# KiCad board LightRail_LPO_1.6T.kicad_pcb (continued)
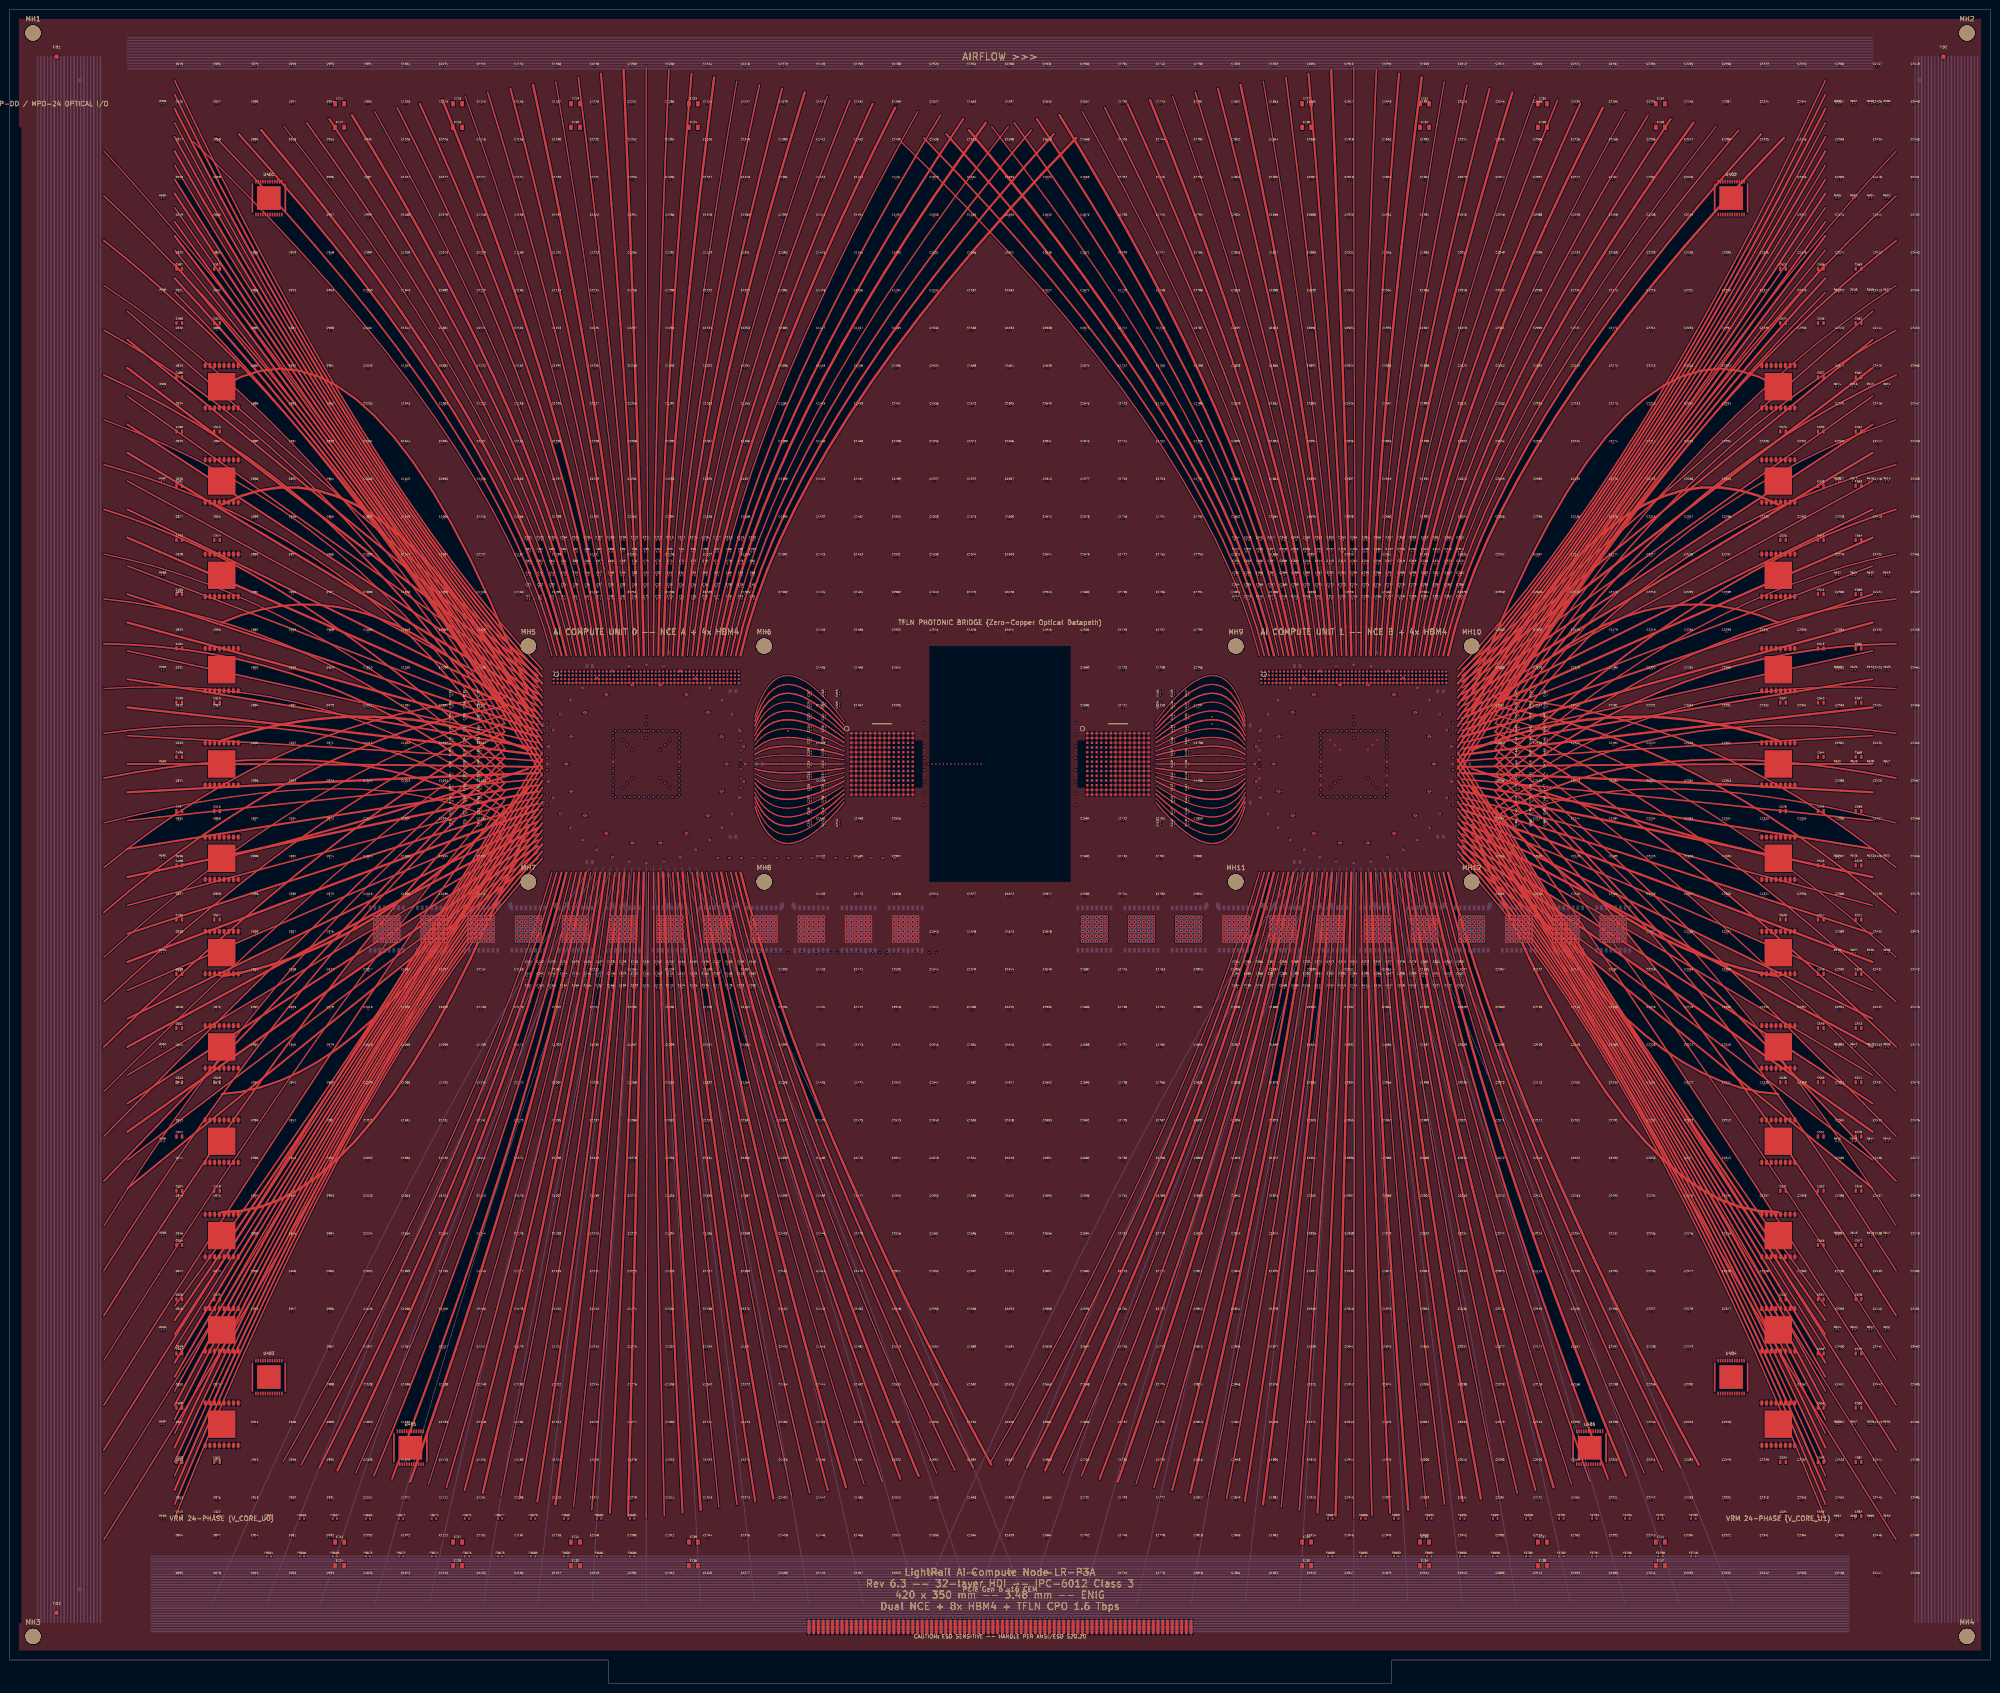
[diagram p0: board, top side]
## Placement (name value [footprint] x y rotation side) (continued)
C1211  0.6x0.3  [C_passive#2]  116 71 0 top
C1212  0.6x0.3  [C_passive#2]  116 63 0 top
C1213  0.6x0.3  [C_passive#2]  116 55 0 top
C1214  0.6x0.3  [C_passive#2]  116 47 0 top
C1215  0.6x0.3  [C_passive#2]  116 39 0 top
C1216  0.6x0.3  [C_passive#2]  116 31 0 top
C1217  0.6x0.3  [C_passive#2]  116 23 0 top
C1218  0.6x0.3  [C_passive#2]  124 343 0 top
C1219  0.6x0.3  [C_passive#2]  124 335 0 top
C1220  0.6x0.3  [C_passive#2]  124 327 0 top
C1221  0.6x0.3  [C_passive#2]  124 319 0 top
C1222  0.6x0.3  [C_passive#2]  124 311 0 top
C1223  0.6x0.3  [C_passive#2]  124 303 0 top
C1224  0.6x0.3  [C_passive#2]  124 295 0 top
C1225  0.6x0.3  [C_passive#2]  124 287 0 top
C1226  0.6x0.3  [C_passive#2]  124 279 0 top
C1227  0.6x0.3  [C_passive#2]  124 271 0 top
C1228  0.6x0.3  [C_passive#2]  124 263 0 top
C1229  0.6x0.3  [C_passive#2]  124 255 0 top
C1230  0.6x0.3  [C_passive#2]  124 247 0 top
C1231  0.6x0.3  [C_passive#2]  124 239 0 top
C1232  0.6x0.3  [C_passive#2]  124 231 0 top
C1233  0.6x0.3  [C_passive#2]  124 151 0 top
C1234  0.6x0.3  [C_passive#2]  124 143 0 top
C1235  0.6x0.3  [C_passive#2]  124 135 0 top
C1236  0.6x0.3  [C_passive#2]  124 127 0 top
C1237  0.6x0.3  [C_passive#2]  124 119 0 top
C1238  0.6x0.3  [C_passive#2]  124 111 0 top
C1239  0.6x0.3  [C_passive#2]  124 103 0 top
C1240  0.6x0.3  [C_passive#2]  124 95 0 top
C1241  0.6x0.3  [C_passive#2]  124 87 0 top
C1242  0.6x0.3  [C_passive#2]  124 79 0 top
C1243  0.6x0.3  [C_passive#2]  124 71 0 top
C1244  0.6x0.3  [C_passive#2]  124 63 0 top
C1245  0.6x0.3  [C_passive#2]  124 55 0 top
C1246  0.6x0.3  [C_passive#2]  124 47 0 top
C1247  0.6x0.3  [C_passive#2]  124 39 0 top
C1248  0.6x0.3  [C_passive#2]  124 31 0 top
C1249  0.6x0.3  [C_passive#2]  124 23 0 top
C1250  0.6x0.3  [C_passive#2]  132 343 0 top
C1251  0.6x0.3  [C_passive#2]  132 335 0 top
C1252  0.6x0.3  [C_passive#2]  132 327 0 top
C1253  0.6x0.3  [C_passive#2]  132 319 0 top
C1254  0.6x0.3  [C_passive#2]  132 311 0 top
C1255  0.6x0.3  [C_passive#2]  132 303 0 top
C1256  0.6x0.3  [C_passive#2]  132 295 0 top
C1257  0.6x0.3  [C_passive#2]  132 287 0 top
C1258  0.6x0.3  [C_passive#2]  132 279 0 top
C1259  0.6x0.3  [C_passive#2]  132 271 0 top
C1260  0.6x0.3  [C_passive#2]  132 263 0 top
C1261  0.6x0.3  [C_passive#2]  132 255 0 top
C1262  0.6x0.3  [C_passive#2]  132 247 0 top
C1263  0.6x0.3  [C_passive#2]  132 239 0 top
C1264  0.6x0.3  [C_passive#2]  132 231 0 top
C1265  0.6x0.3  [C_passive#2]  132 151 0 top
C1266  0.6x0.3  [C_passive#2]  132 143 0 top
C1267  0.6x0.3  [C_passive#2]  132 135 0 top
C1268  0.6x0.3  [C_passive#2]  132 127 0 top
C1269  0.6x0.3  [C_passive#2]  132 119 0 top
C1270  0.6x0.3  [C_passive#2]  132 111 0 top
C1271  0.6x0.3  [C_passive#2]  132 103 0 top
C1272  0.6x0.3  [C_passive#2]  132 95 0 top
C1273  0.6x0.3  [C_passive#2]  132 87 0 top
C1274  0.6x0.3  [C_passive#2]  132 79 0 top
C1275  0.6x0.3  [C_passive#2]  132 71 0 top
C1276  0.6x0.3  [C_passive#2]  132 63 0 top
C1277  0.6x0.3  [C_passive#2]  132 55 0 top
C1278  0.6x0.3  [C_passive#2]  132 47 0 top
C1279  0.6x0.3  [C_passive#2]  132 39 0 top
C1280  0.6x0.3  [C_passive#2]  132 31 0 top
C1281  0.6x0.3  [C_passive#2]  132 23 0 top
C1282  0.6x0.3  [C_passive#2]  140 343 0 top
C1283  0.6x0.3  [C_passive#2]  140 335 0 top
C1284  0.6x0.3  [C_passive#2]  140 327 0 top
C1285  0.6x0.3  [C_passive#2]  140 319 0 top
C1286  0.6x0.3  [C_passive#2]  140 311 0 top
C1287  0.6x0.3  [C_passive#2]  140 303 0 top
C1288  0.6x0.3  [C_passive#2]  140 295 0 top
C1289  0.6x0.3  [C_passive#2]  140 287 0 top
C1290  0.6x0.3  [C_passive#2]  140 279 0 top
C1291  0.6x0.3  [C_passive#2]  140 271 0 top
C1292  0.6x0.3  [C_passive#2]  140 263 0 top
C1293  0.6x0.3  [C_passive#2]  140 255 0 top
C1294  0.6x0.3  [C_passive#2]  140 247 0 top
C1295  0.6x0.3  [C_passive#2]  140 239 0 top
C1296  0.6x0.3  [C_passive#2]  140 231 0 top
C1297  0.6x0.3  [C_passive#2]  140 151 0 top
C1298  0.6x0.3  [C_passive#2]  140 143 0 top
C1299  0.6x0.3  [C_passive#2]  140 135 0 top
C1300  0.6x0.3  [C_passive#2]  140 127 0 top
C1301  0.6x0.3  [C_passive#2]  140 119 0 top
C1302  0.6x0.3  [C_passive#2]  140 111 0 top
C1303  0.6x0.3  [C_passive#2]  140 103 0 top
C1304  0.6x0.3  [C_passive#2]  140 95 0 top
C1305  0.6x0.3  [C_passive#2]  140 87 0 top
C1306  0.6x0.3  [C_passive#2]  140 79 0 top
C1307  0.6x0.3  [C_passive#2]  140 71 0 top
C1308  0.6x0.3  [C_passive#2]  140 63 0 top
C1309  0.6x0.3  [C_passive#2]  140 55 0 top
C1310  0.6x0.3  [C_passive#2]  140 47 0 top
C1311  0.6x0.3  [C_passive#2]  140 39 0 top
C1312  0.6x0.3  [C_passive#2]  140 31 0 top
C1313  0.6x0.3  [C_passive#2]  140 23 0 top
C1314  0.6x0.3  [C_passive#2]  148 343 0 top
C1315  0.6x0.3  [C_passive#2]  148 335 0 top
C1316  0.6x0.3  [C_passive#2]  148 327 0 top
C1317  0.6x0.3  [C_passive#2]  148 319 0 top
C1318  0.6x0.3  [C_passive#2]  148 311 0 top
C1319  0.6x0.3  [C_passive#2]  148 303 0 top
C1320  0.6x0.3  [C_passive#2]  148 295 0 top
C1321  0.6x0.3  [C_passive#2]  148 287 0 top
C1322  0.6x0.3  [C_passive#2]  148 279 0 top
C1323  0.6x0.3  [C_passive#2]  148 271 0 top
C1324  0.6x0.3  [C_passive#2]  148 263 0 top
C1325  0.6x0.3  [C_passive#2]  148 255 0 top
C1326  0.6x0.3  [C_passive#2]  148 247 0 top
C1327  0.6x0.3  [C_passive#2]  148 239 0 top
C1328  0.6x0.3  [C_passive#2]  148 231 0 top
C1329  0.6x0.3  [C_passive#2]  148 151 0 top
C1330  0.6x0.3  [C_passive#2]  148 143 0 top
C1331  0.6x0.3  [C_passive#2]  148 135 0 top
C1332  0.6x0.3  [C_passive#2]  148 127 0 top
C1333  0.6x0.3  [C_passive#2]  148 119 0 top
C1334  0.6x0.3  [C_passive#2]  148 111 0 top
C1335  0.6x0.3  [C_passive#2]  148 103 0 top
C1336  0.6x0.3  [C_passive#2]  148 95 0 top
C1337  0.6x0.3  [C_passive#2]  148 87 0 top
C1338  0.6x0.3  [C_passive#2]  148 79 0 top
C1339  0.6x0.3  [C_passive#2]  148 71 0 top
C1340  0.6x0.3  [C_passive#2]  148 63 0 top
C1341  0.6x0.3  [C_passive#2]  148 55 0 top
C1342  0.6x0.3  [C_passive#2]  148 47 0 top
C1343  0.6x0.3  [C_passive#2]  148 39 0 top
C1344  0.6x0.3  [C_passive#2]  148 31 0 top
C1345  0.6x0.3  [C_passive#2]  148 23 0 top
C1346  0.6x0.3  [C_passive#2]  156 343 0 top
C1347  0.6x0.3  [C_passive#2]  156 335 0 top
C1348  0.6x0.3  [C_passive#2]  156 327 0 top
C1349  0.6x0.3  [C_passive#2]  156 319 0 top
C1350  0.6x0.3  [C_passive#2]  156 311 0 top
C1351  0.6x0.3  [C_passive#2]  156 303 0 top
C1352  0.6x0.3  [C_passive#2]  156 295 0 top
C1353  0.6x0.3  [C_passive#2]  156 287 0 top
C1354  0.6x0.3  [C_passive#2]  156 279 0 top
C1355  0.6x0.3  [C_passive#2]  156 271 0 top
C1356  0.6x0.3  [C_passive#2]  156 263 0 top
C1357  0.6x0.3  [C_passive#2]  156 255 0 top
C1358  0.6x0.3  [C_passive#2]  156 247 0 top
C1359  0.6x0.3  [C_passive#2]  156 239 0 top
C1360  0.6x0.3  [C_passive#2]  156 231 0 top
C1361  0.6x0.3  [C_passive#2]  156 151 0 top
C1362  0.6x0.3  [C_passive#2]  156 143 0 top
C1363  0.6x0.3  [C_passive#2]  156 135 0 top
C1364  0.6x0.3  [C_passive#2]  156 127 0 top
C1365  0.6x0.3  [C_passive#2]  156 119 0 top
C1366  0.6x0.3  [C_passive#2]  156 111 0 top
C1367  0.6x0.3  [C_passive#2]  156 103 0 top
C1368  0.6x0.3  [C_passive#2]  156 95 0 top
C1369  0.6x0.3  [C_passive#2]  156 87 0 top
C1370  0.6x0.3  [C_passive#2]  156 79 0 top
C1371  0.6x0.3  [C_passive#2]  156 71 0 top
C1372  0.6x0.3  [C_passive#2]  156 63 0 top
C1373  0.6x0.3  [C_passive#2]  156 55 0 top
C1374  0.6x0.3  [C_passive#2]  156 47 0 top
C1375  0.6x0.3  [C_passive#2]  156 39 0 top
C1376  0.6x0.3  [C_passive#2]  156 31 0 top
C1377  0.6x0.3  [C_passive#2]  156 23 0 top
C1378  0.6x0.3  [C_passive#2]  164 343 0 top
C1379  0.6x0.3  [C_passive#2]  164 335 0 top
C1380  0.6x0.3  [C_passive#2]  164 327 0 top
C1381  0.6x0.3  [C_passive#2]  164 319 0 top
C1382  0.6x0.3  [C_passive#2]  164 311 0 top
C1383  0.6x0.3  [C_passive#2]  164 303 0 top
C1384  0.6x0.3  [C_passive#2]  164 295 0 top
C1385  0.6x0.3  [C_passive#2]  164 287 0 top
C1386  0.6x0.3  [C_passive#2]  164 279 0 top
C1387  0.6x0.3  [C_passive#2]  164 271 0 top
C1388  0.6x0.3  [C_passive#2]  164 263 0 top
C1389  0.6x0.3  [C_passive#2]  164 255 0 top
C1390  0.6x0.3  [C_passive#2]  164 247 0 top
C1391  0.6x0.3  [C_passive#2]  164 239 0 top
C1392  0.6x0.3  [C_passive#2]  164 231 0 top
C1393  0.6x0.3  [C_passive#2]  164 151 0 top
C1394  0.6x0.3  [C_passive#2]  164 143 0 top
C1395  0.6x0.3  [C_passive#2]  164 135 0 top
C1396  0.6x0.3  [C_passive#2]  164 127 0 top
C1397  0.6x0.3  [C_passive#2]  164 119 0 top
C1398  0.6x0.3  [C_passive#2]  164 111 0 top
C1399  0.6x0.3  [C_passive#2]  164 103 0 top
C1400  0.6x0.3  [C_passive#2]  164 95 0 top
C1401  0.6x0.3  [C_passive#2]  164 87 0 top
C1402  0.6x0.3  [C_passive#2]  164 79 0 top
C1403  0.6x0.3  [C_passive#2]  164 71 0 top
C1404  0.6x0.3  [C_passive#2]  164 63 0 top
C1405  0.6x0.3  [C_passive#2]  164 55 0 top
C1406  0.6x0.3  [C_passive#2]  164 47 0 top
C1407  0.6x0.3  [C_passive#2]  164 39 0 top
C1408  0.6x0.3  [C_passive#2]  164 31 0 top
C1409  0.6x0.3  [C_passive#2]  164 23 0 top
C1410  0.6x0.3  [C_passive#2]  172 343 0 top
C1411  0.6x0.3  [C_passive#2]  172 335 0 top
C1412  0.6x0.3  [C_passive#2]  172 327 0 top
C1413  0.6x0.3  [C_passive#2]  172 319 0 top
C1414  0.6x0.3  [C_passive#2]  172 311 0 top
C1415  0.6x0.3  [C_passive#2]  172 303 0 top
C1416  0.6x0.3  [C_passive#2]  172 295 0 top
C1417  0.6x0.3  [C_passive#2]  172 287 0 top
C1418  0.6x0.3  [C_passive#2]  172 279 0 top
C1419  0.6x0.3  [C_passive#2]  172 271 0 top
C1420  0.6x0.3  [C_passive#2]  172 263 0 top
C1421  0.6x0.3  [C_passive#2]  172 255 0 top
C1422  0.6x0.3  [C_passive#2]  172 247 0 top
C1423  0.6x0.3  [C_passive#2]  172 239 0 top
C1424  0.6x0.3  [C_passive#2]  172 231 0 top
C1425  0.6x0.3  [C_passive#2]  172 223 0 top
C1426  0.6x0.3  [C_passive#2]  172 215 0 top
C1427  0.6x0.3  [C_passive#2]  172 207 0 top
C1428  0.6x0.3  [C_passive#2]  172 199 0 top
C1429  0.6x0.3  [C_passive#2]  172 191 0 top
C1430  0.6x0.3  [C_passive#2]  172 183 0 top
C1431  0.6x0.3  [C_passive#2]  172 175 0 top
C1432  0.6x0.3  [C_passive#2]  172 167 0 top
C1433  0.6x0.3  [C_passive#2]  172 151 0 top
C1434  0.6x0.3  [C_passive#2]  172 143 0 top
C1435  0.6x0.3  [C_passive#2]  172 135 0 top
C1436  0.6x0.3  [C_passive#2]  172 127 0 top
C1437  0.6x0.3  [C_passive#2]  172 119 0 top
C1438  0.6x0.3  [C_passive#2]  172 111 0 top
C1439  0.6x0.3  [C_passive#2]  172 103 0 top
C1440  0.6x0.3  [C_passive#2]  172 95 0 top
C1441  0.6x0.3  [C_passive#2]  172 87 0 top
C1442  0.6x0.3  [C_passive#2]  172 79 0 top
C1443  0.6x0.3  [C_passive#2]  172 71 0 top
C1444  0.6x0.3  [C_passive#2]  172 63 0 top
C1445  0.6x0.3  [C_passive#2]  172 55 0 top
C1446  0.6x0.3  [C_passive#2]  172 47 0 top
C1447  0.6x0.3  [C_passive#2]  172 39 0 top
C1448  0.6x0.3  [C_passive#2]  172 31 0 top
C1449  0.6x0.3  [C_passive#2]  172 23 0 top
C1450  0.6x0.3  [C_passive#2]  180 343 0 top
C1451  0.6x0.3  [C_passive#2]  180 335 0 top
C1452  0.6x0.3  [C_passive#2]  180 327 0 top
C1453  0.6x0.3  [C_passive#2]  180 319 0 top
C1454  0.6x0.3  [C_passive#2]  180 311 0 top
C1455  0.6x0.3  [C_passive#2]  180 303 0 top
C1456  0.6x0.3  [C_passive#2]  180 295 0 top
C1457  0.6x0.3  [C_passive#2]  180 287 0 top
C1458  0.6x0.3  [C_passive#2]  180 279 0 top
C1459  0.6x0.3  [C_passive#2]  180 271 0 top
C1460  0.6x0.3  [C_passive#2]  180 263 0 top
C1461  0.6x0.3  [C_passive#2]  180 255 0 top
C1462  0.6x0.3  [C_passive#2]  180 247 0 top
C1463  0.6x0.3  [C_passive#2]  180 239 0 top
C1464  0.6x0.3  [C_passive#2]  180 231 0 top
C1465  0.6x0.3  [C_passive#2]  180 223 0 top
C1466  0.6x0.3  [C_passive#2]  180 215 0 top
C1467  0.6x0.3  [C_passive#2]  180 207 0 top
C1468  0.6x0.3  [C_passive#2]  180 183 0 top
C1469  0.6x0.3  [C_passive#2]  180 175 0 top
C1470  0.6x0.3  [C_passive#2]  180 167 0 top
C1471  0.6x0.3  [C_passive#2]  180 151 0 top
C1472  0.6x0.3  [C_passive#2]  180 143 0 top
C1473  0.6x0.3  [C_passive#2]  180 135 0 top
C1474  0.6x0.3  [C_passive#2]  180 127 0 top
C1475  0.6x0.3  [C_passive#2]  180 119 0 top
C1476  0.6x0.3  [C_passive#2]  180 111 0 top
C1477  0.6x0.3  [C_passive#2]  180 103 0 top
C1478  0.6x0.3  [C_passive#2]  180 95 0 top
C1479  0.6x0.3  [C_passive#2]  180 87 0 top
C1480  0.6x0.3  [C_passive#2]  180 79 0 top
C1481  0.6x0.3  [C_passive#2]  180 71 0 top
C1482  0.6x0.3  [C_passive#2]  180 63 0 top
C1483  0.6x0.3  [C_passive#2]  180 55 0 top
C1484  0.6x0.3  [C_passive#2]  180 47 0 top
C1485  0.6x0.3  [C_passive#2]  180 39 0 top
C1486  0.6x0.3  [C_passive#2]  180 31 0 top
C1487  0.6x0.3  [C_passive#2]  180 23 0 top
C1488  0.6x0.3  [C_passive#2]  188 343 0 top
C1489  0.6x0.3  [C_passive#2]  188 335 0 top
C1490  0.6x0.3  [C_passive#2]  188 327 0 top
C1491  0.6x0.3  [C_passive#2]  188 319 0 top
C1492  0.6x0.3  [C_passive#2]  188 311 0 top
C1493  0.6x0.3  [C_passive#2]  188 303 0 top
C1494  0.6x0.3  [C_passive#2]  188 295 0 top
C1495  0.6x0.3  [C_passive#2]  188 287 0 top
C1496  0.6x0.3  [C_passive#2]  188 279 0 top
C1497  0.6x0.3  [C_passive#2]  188 271 0 top
C1498  0.6x0.3  [C_passive#2]  188 263 0 top
C1499  0.6x0.3  [C_passive#2]  188 255 0 top
C1500  0.6x0.3  [C_passive#2]  188 247 0 top
C1501  0.6x0.3  [C_passive#2]  188 239 0 top
C1502  0.6x0.3  [C_passive#2]  188 231 0 top
C1503  0.6x0.3  [C_passive#2]  188 223 0 top
C1504  0.6x0.3  [C_passive#2]  188 215 0 top
C1505  0.6x0.3  [C_passive#2]  188 207 0 top
C1506  0.6x0.3  [C_passive#2]  188 183 0 top
C1507  0.6x0.3  [C_passive#2]  188 175 0 top
C1508  0.6x0.3  [C_passive#2]  188 167 0 top
C1509  0.6x0.3  [C_passive#2]  188 151 0 top
C1510  0.6x0.3  [C_passive#2]  188 143 0 top
C1511  0.6x0.3  [C_passive#2]  188 135 0 top
C1512  0.6x0.3  [C_passive#2]  188 127 0 top
C1513  0.6x0.3  [C_passive#2]  188 119 0 top
C1514  0.6x0.3  [C_passive#2]  188 111 0 top
C1515  0.6x0.3  [C_passive#2]  188 103 0 top
C1516  0.6x0.3  [C_passive#2]  188 95 0 top
C1517  0.6x0.3  [C_passive#2]  188 87 0 top
C1518  0.6x0.3  [C_passive#2]  188 79 0 top
C1519  0.6x0.3  [C_passive#2]  188 71 0 top
C1520  0.6x0.3  [C_passive#2]  188 63 0 top
C1521  0.6x0.3  [C_passive#2]  188 55 0 top
C1522  0.6x0.3  [C_passive#2]  188 47 0 top
C1523  0.6x0.3  [C_passive#2]  188 39 0 top
C1524  0.6x0.3  [C_passive#2]  188 31 0 top
C1525  0.6x0.3  [C_passive#2]  188 23 0 top
C1526  0.6x0.3  [C_passive#2]  196 343 0 top
C1527  0.6x0.3  [C_passive#2]  196 335 0 top
C1528  0.6x0.3  [C_passive#2]  196 327 0 top
C1529  0.6x0.3  [C_passive#2]  196 319 0 top
C1530  0.6x0.3  [C_passive#2]  196 311 0 top
C1531  0.6x0.3  [C_passive#2]  196 303 0 top
C1532  0.6x0.3  [C_passive#2]  196 295 0 top
C1533  0.6x0.3  [C_passive#2]  196 287 0 top
C1534  0.6x0.3  [C_passive#2]  196 279 0 top
C1535  0.6x0.3  [C_passive#2]  196 271 0 top
C1536  0.6x0.3  [C_passive#2]  196 263 0 top
C1537  0.6x0.3  [C_passive#2]  196 255 0 top
C1538  0.6x0.3  [C_passive#2]  196 247 0 top
C1539  0.6x0.3  [C_passive#2]  196 239 0 top
C1540  0.6x0.3  [C_passive#2]  196 231 0 top
C1541  0.6x0.3  [C_passive#2]  196 223 0 top
C1542  0.6x0.3  [C_passive#2]  196 167 0 top
C1543  0.6x0.3  [C_passive#2]  196 159 0 top
C1544  0.6x0.3  [C_passive#2]  196 151 0 top
C1545  0.6x0.3  [C_passive#2]  196 143 0 top
C1546  0.6x0.3  [C_passive#2]  196 135 0 top
C1547  0.6x0.3  [C_passive#2]  196 127 0 top
C1548  0.6x0.3  [C_passive#2]  196 119 0 top
C1549  0.6x0.3  [C_passive#2]  196 111 0 top
C1550  0.6x0.3  [C_passive#2]  196 103 0 top
C1551  0.6x0.3  [C_passive#2]  196 95 0 top
C1552  0.6x0.3  [C_passive#2]  196 87 0 top
C1553  0.6x0.3  [C_passive#2]  196 79 0 top
C1554  0.6x0.3  [C_passive#2]  196 71 0 top
C1555  0.6x0.3  [C_passive#2]  196 63 0 top
C1556  0.6x0.3  [C_passive#2]  196 55 0 top
C1557  0.6x0.3  [C_passive#2]  196 47 0 top
C1558  0.6x0.3  [C_passive#2]  196 39 0 top
C1559  0.6x0.3  [C_passive#2]  196 31 0 top
C1560  0.6x0.3  [C_passive#2]  196 23 0 top
C1561  0.6x0.3  [C_passive#2]  204 343 0 top
C1562  0.6x0.3  [C_passive#2]  204 335 0 top
C1563  0.6x0.3  [C_passive#2]  204 327 0 top
C1564  0.6x0.3  [C_passive#2]  204 319 0 top
C1565  0.6x0.3  [C_passive#2]  204 311 0 top
C1566  0.6x0.3  [C_passive#2]  204 303 0 top
C1567  0.6x0.3  [C_passive#2]  204 295 0 top
C1568  0.6x0.3  [C_passive#2]  204 287 0 top
C1569  0.6x0.3  [C_passive#2]  204 279 0 top
C1570  0.6x0.3  [C_passive#2]  204 271 0 top
C1571  0.6x0.3  [C_passive#2]  204 263 0 top
C1572  0.6x0.3  [C_passive#2]  204 255 0 top
C1573  0.6x0.3  [C_passive#2]  204 247 0 top
C1574  0.6x0.3  [C_passive#2]  204 239 0 top
C1575  0.6x0.3  [C_passive#2]  204 231 0 top
C1576  0.6x0.3  [C_passive#2]  204 223 0 top
C1577  0.6x0.3  [C_passive#2]  204 167 0 top
C1578  0.6x0.3  [C_passive#2]  204 159 0 top
C1579  0.6x0.3  [C_passive#2]  204 151 0 top
C1580  0.6x0.3  [C_passive#2]  204 143 0 top
C1581  0.6x0.3  [C_passive#2]  204 135 0 top
C1582  0.6x0.3  [C_passive#2]  204 127 0 top
C1583  0.6x0.3  [C_passive#2]  204 119 0 top
C1584  0.6x0.3  [C_passive#2]  204 111 0 top
C1585  0.6x0.3  [C_passive#2]  204 103 0 top
C1586  0.6x0.3  [C_passive#2]  204 95 0 top
C1587  0.6x0.3  [C_passive#2]  204 87 0 top
C1588  0.6x0.3  [C_passive#2]  204 79 0 top
C1589  0.6x0.3  [C_passive#2]  204 71 0 top
C1590  0.6x0.3  [C_passive#2]  204 63 0 top
C1591  0.6x0.3  [C_passive#2]  204 55 0 top
C1592  0.6x0.3  [C_passive#2]  204 47 0 top
C1593  0.6x0.3  [C_passive#2]  204 39 0 top
C1594  0.6x0.3  [C_passive#2]  204 31 0 top
C1595  0.6x0.3  [C_passive#2]  204 23 0 top
C1596  0.6x0.3  [C_passive#2]  212 343 0 top
C1597  0.6x0.3  [C_passive#2]  212 335 0 top
C1598  0.6x0.3  [C_passive#2]  212 327 0 top
C1599  0.6x0.3  [C_passive#2]  212 319 0 top
C1600  0.6x0.3  [C_passive#2]  212 311 0 top
C1601  0.6x0.3  [C_passive#2]  212 303 0 top
C1602  0.6x0.3  [C_passive#2]  212 295 0 top
C1603  0.6x0.3  [C_passive#2]  212 287 0 top
C1604  0.6x0.3  [C_passive#2]  212 279 0 top
C1605  0.6x0.3  [C_passive#2]  212 271 0 top
C1606  0.6x0.3  [C_passive#2]  212 263 0 top
C1607  0.6x0.3  [C_passive#2]  212 255 0 top
C1608  0.6x0.3  [C_passive#2]  212 247 0 top
C1609  0.6x0.3  [C_passive#2]  212 239 0 top
C1610  0.6x0.3  [C_passive#2]  212 231 0 top
C1611  0.6x0.3  [C_passive#2]  212 223 0 top
C1612  0.6x0.3  [C_passive#2]  212 167 0 top
C1613  0.6x0.3  [C_passive#2]  212 159 0 top
C1614  0.6x0.3  [C_passive#2]  212 151 0 top
C1615  0.6x0.3  [C_passive#2]  212 143 0 top
C1616  0.6x0.3  [C_passive#2]  212 135 0 top
C1617  0.6x0.3  [C_passive#2]  212 127 0 top
C1618  0.6x0.3  [C_passive#2]  212 119 0 top
C1619  0.6x0.3  [C_passive#2]  212 111 0 top
C1620  0.6x0.3  [C_passive#2]  212 103 0 top
C1621  0.6x0.3  [C_passive#2]  212 95 0 top
C1622  0.6x0.3  [C_passive#2]  212 87 0 top
C1623  0.6x0.3  [C_passive#2]  212 79 0 top
C1624  0.6x0.3  [C_passive#2]  212 71 0 top
C1625  0.6x0.3  [C_passive#2]  212 63 0 top
C1626  0.6x0.3  [C_passive#2]  212 55 0 top
C1627  0.6x0.3  [C_passive#2]  212 47 0 top
C1628  0.6x0.3  [C_passive#2]  212 39 0 top
C1629  0.6x0.3  [C_passive#2]  212 31 0 top
C1630  0.6x0.3  [C_passive#2]  212 23 0 top
C1631  0.6x0.3  [C_passive#2]  220 343 0 top
C1632  0.6x0.3  [C_passive#2]  220 335 0 top
C1633  0.6x0.3  [C_passive#2]  220 327 0 top
C1634  0.6x0.3  [C_passive#2]  220 319 0 top
C1635  0.6x0.3  [C_passive#2]  220 311 0 top
C1636  0.6x0.3  [C_passive#2]  220 303 0 top
C1637  0.6x0.3  [C_passive#2]  220 295 0 top
C1638  0.6x0.3  [C_passive#2]  220 287 0 top
C1639  0.6x0.3  [C_passive#2]  220 279 0 top
C1640  0.6x0.3  [C_passive#2]  220 271 0 top
C1641  0.6x0.3  [C_passive#2]  220 263 0 top
C1642  0.6x0.3  [C_passive#2]  220 255 0 top
C1643  0.6x0.3  [C_passive#2]  220 247 0 top
C1644  0.6x0.3  [C_passive#2]  220 239 0 top
C1645  0.6x0.3  [C_passive#2]  220 231 0 top
C1646  0.6x0.3  [C_passive#2]  220 223 0 top
C1647  0.6x0.3  [C_passive#2]  220 167 0 top
C1648  0.6x0.3  [C_passive#2]  220 159 0 top
C1649  0.6x0.3  [C_passive#2]  220 151 0 top
C1650  0.6x0.3  [C_passive#2]  220 143 0 top
C1651  0.6x0.3  [C_passive#2]  220 135 0 top
C1652  0.6x0.3  [C_passive#2]  220 127 0 top
C1653  0.6x0.3  [C_passive#2]  220 119 0 top
C1654  0.6x0.3  [C_passive#2]  220 111 0 top
C1655  0.6x0.3  [C_passive#2]  220 103 0 top
C1656  0.6x0.3  [C_passive#2]  220 95 0 top
C1657  0.6x0.3  [C_passive#2]  220 87 0 top
C1658  0.6x0.3  [C_passive#2]  220 79 0 top
C1659  0.6x0.3  [C_passive#2]  220 71 0 top
C1660  0.6x0.3  [C_passive#2]  220 63 0 top
C1661  0.6x0.3  [C_passive#2]  220 55 0 top
C1662  0.6x0.3  [C_passive#2]  220 47 0 top
C1663  0.6x0.3  [C_passive#2]  220 39 0 top
C1664  0.6x0.3  [C_passive#2]  220 31 0 top
C1665  0.6x0.3  [C_passive#2]  220 23 0 top
C1666  0.6x0.3  [C_passive#2]  228 343 0 top
C1667  0.6x0.3  [C_passive#2]  228 335 0 top
C1668  0.6x0.3  [C_passive#2]  228 327 0 top
C1669  0.6x0.3  [C_passive#2]  228 319 0 top
C1670  0.6x0.3  [C_passive#2]  228 311 0 top
C1671  0.6x0.3  [C_passive#2]  228 303 0 top
C1672  0.6x0.3  [C_passive#2]  228 295 0 top
C1673  0.6x0.3  [C_passive#2]  228 287 0 top
C1674  0.6x0.3  [C_passive#2]  228 279 0 top
C1675  0.6x0.3  [C_passive#2]  228 271 0 top
C1676  0.6x0.3  [C_passive#2]  228 263 0 top
C1677  0.6x0.3  [C_passive#2]  228 255 0 top
C1678  0.6x0.3  [C_passive#2]  228 247 0 top
C1679  0.6x0.3  [C_passive#2]  228 239 0 top
C1680  0.6x0.3  [C_passive#2]  228 231 0 top
C1681  0.6x0.3  [C_passive#2]  228 223 0 top
C1682  0.6x0.3  [C_passive#2]  228 215 0 top
C1683  0.6x0.3  [C_passive#2]  228 207 0 top
C1684  0.6x0.3  [C_passive#2]  228 183 0 top
C1685  0.6x0.3  [C_passive#2]  228 175 0 top
C1686  0.6x0.3  [C_passive#2]  228 167 0 top
C1687  0.6x0.3  [C_passive#2]  228 151 0 top
C1688  0.6x0.3  [C_passive#2]  228 143 0 top
C1689  0.6x0.3  [C_passive#2]  228 135 0 top
C1690  0.6x0.3  [C_passive#2]  228 127 0 top
C1691  0.6x0.3  [C_passive#2]  228 119 0 top
C1692  0.6x0.3  [C_passive#2]  228 111 0 top
C1693  0.6x0.3  [C_passive#2]  228 103 0 top
C1694  0.6x0.3  [C_passive#2]  228 95 0 top
C1695  0.6x0.3  [C_passive#2]  228 87 0 top
C1696  0.6x0.3  [C_passive#2]  228 79 0 top
C1697  0.6x0.3  [C_passive#2]  228 71 0 top
C1698  0.6x0.3  [C_passive#2]  228 63 0 top
C1699  0.6x0.3  [C_passive#2]  228 55 0 top
C1700  0.6x0.3  [C_passive#2]  228 47 0 top
C1701  0.6x0.3  [C_passive#2]  228 39 0 top
C1702  0.6x0.3  [C_passive#2]  228 31 0 top
C1703  0.6x0.3  [C_passive#2]  228 23 0 top
C1704  0.6x0.3  [C_passive#2]  236 343 0 top
C1705  0.6x0.3  [C_passive#2]  236 335 0 top
C1706  0.6x0.3  [C_passive#2]  236 327 0 top
C1707  0.6x0.3  [C_passive#2]  236 319 0 top
C1708  0.6x0.3  [C_passive#2]  236 311 0 top
C1709  0.6x0.3  [C_passive#2]  236 303 0 top
C1710  0.6x0.3  [C_passive#2]  236 295 0 top
C1711  0.6x0.3  [C_passive#2]  236 287 0 top
C1712  0.6x0.3  [C_passive#2]  236 279 0 top
C1713  0.6x0.3  [C_passive#2]  236 271 0 top
C1714  0.6x0.3  [C_passive#2]  236 263 0 top
C1715  0.6x0.3  [C_passive#2]  236 255 0 top
C1716  0.6x0.3  [C_passive#2]  236 247 0 top
C1717  0.6x0.3  [C_passive#2]  236 239 0 top
C1718  0.6x0.3  [C_passive#2]  236 231 0 top
C1719  0.6x0.3  [C_passive#2]  236 223 0 top
C1720  0.6x0.3  [C_passive#2]  236 215 0 top
C1721  0.6x0.3  [C_passive#2]  236 207 0 top
C1722  0.6x0.3  [C_passive#2]  236 183 0 top
C1723  0.6x0.3  [C_passive#2]  236 175 0 top
C1724  0.6x0.3  [C_passive#2]  236 167 0 top
C1725  0.6x0.3  [C_passive#2]  236 151 0 top
C1726  0.6x0.3  [C_passive#2]  236 143 0 top
C1727  0.6x0.3  [C_passive#2]  236 135 0 top
C1728  0.6x0.3  [C_passive#2]  236 127 0 top
C1729  0.6x0.3  [C_passive#2]  236 119 0 top
C1730  0.6x0.3  [C_passive#2]  236 111 0 top
C1731  0.6x0.3  [C_passive#2]  236 103 0 top
C1732  0.6x0.3  [C_passive#2]  236 95 0 top
C1733  0.6x0.3  [C_passive#2]  236 87 0 top
C1734  0.6x0.3  [C_passive#2]  236 79 0 top
C1735  0.6x0.3  [C_passive#2]  236 71 0 top
C1736  0.6x0.3  [C_passive#2]  236 63 0 top
C1737  0.6x0.3  [C_passive#2]  236 55 0 top
C1738  0.6x0.3  [C_passive#2]  236 47 0 top
C1739  0.6x0.3  [C_passive#2]  236 39 0 top
C1740  0.6x0.3  [C_passive#2]  236 31 0 top
C1741  0.6x0.3  [C_passive#2]  236 23 0 top
C1742  0.6x0.3  [C_passive#2]  244 343 0 top
C1743  0.6x0.3  [C_passive#2]  244 335 0 top
C1744  0.6x0.3  [C_passive#2]  244 327 0 top
C1745  0.6x0.3  [C_passive#2]  244 319 0 top
C1746  0.6x0.3  [C_passive#2]  244 311 0 top
C1747  0.6x0.3  [C_passive#2]  244 303 0 top
C1748  0.6x0.3  [C_passive#2]  244 295 0 top
C1749  0.6x0.3  [C_passive#2]  244 287 0 top
C1750  0.6x0.3  [C_passive#2]  244 279 0 top
C1751  0.6x0.3  [C_passive#2]  244 271 0 top
C1752  0.6x0.3  [C_passive#2]  244 263 0 top
C1753  0.6x0.3  [C_passive#2]  244 255 0 top
C1754  0.6x0.3  [C_passive#2]  244 247 0 top
C1755  0.6x0.3  [C_passive#2]  244 239 0 top
C1756  0.6x0.3  [C_passive#2]  244 231 0 top
C1757  0.6x0.3  [C_passive#2]  244 223 0 top
C1758  0.6x0.3  [C_passive#2]  244 215 0 top
C1759  0.6x0.3  [C_passive#2]  244 207 0 top
C1760  0.6x0.3  [C_passive#2]  244 183 0 top
C1761  0.6x0.3  [C_passive#2]  244 175 0 top
C1762  0.6x0.3  [C_passive#2]  244 167 0 top
C1763  0.6x0.3  [C_passive#2]  244 151 0 top
C1764  0.6x0.3  [C_passive#2]  244 143 0 top
C1765  0.6x0.3  [C_passive#2]  244 135 0 top
C1766  0.6x0.3  [C_passive#2]  244 127 0 top
C1767  0.6x0.3  [C_passive#2]  244 119 0 top